# Altium PCB PowerBoard.PcbDoc (part 1 of 2)
Units mm, origin at the board's own origin, x right, y up, seen from the top; angles counter-clockwise.
Board outline 230 x 170 mm, 4 copper layers (Top Layer, PWR, GND, Bottom Layer), stack 0.778 mm thick; 262 components, 135 nets, 848 pads, 1223 vias.
Unrouted connection lines stored in the file: 2.
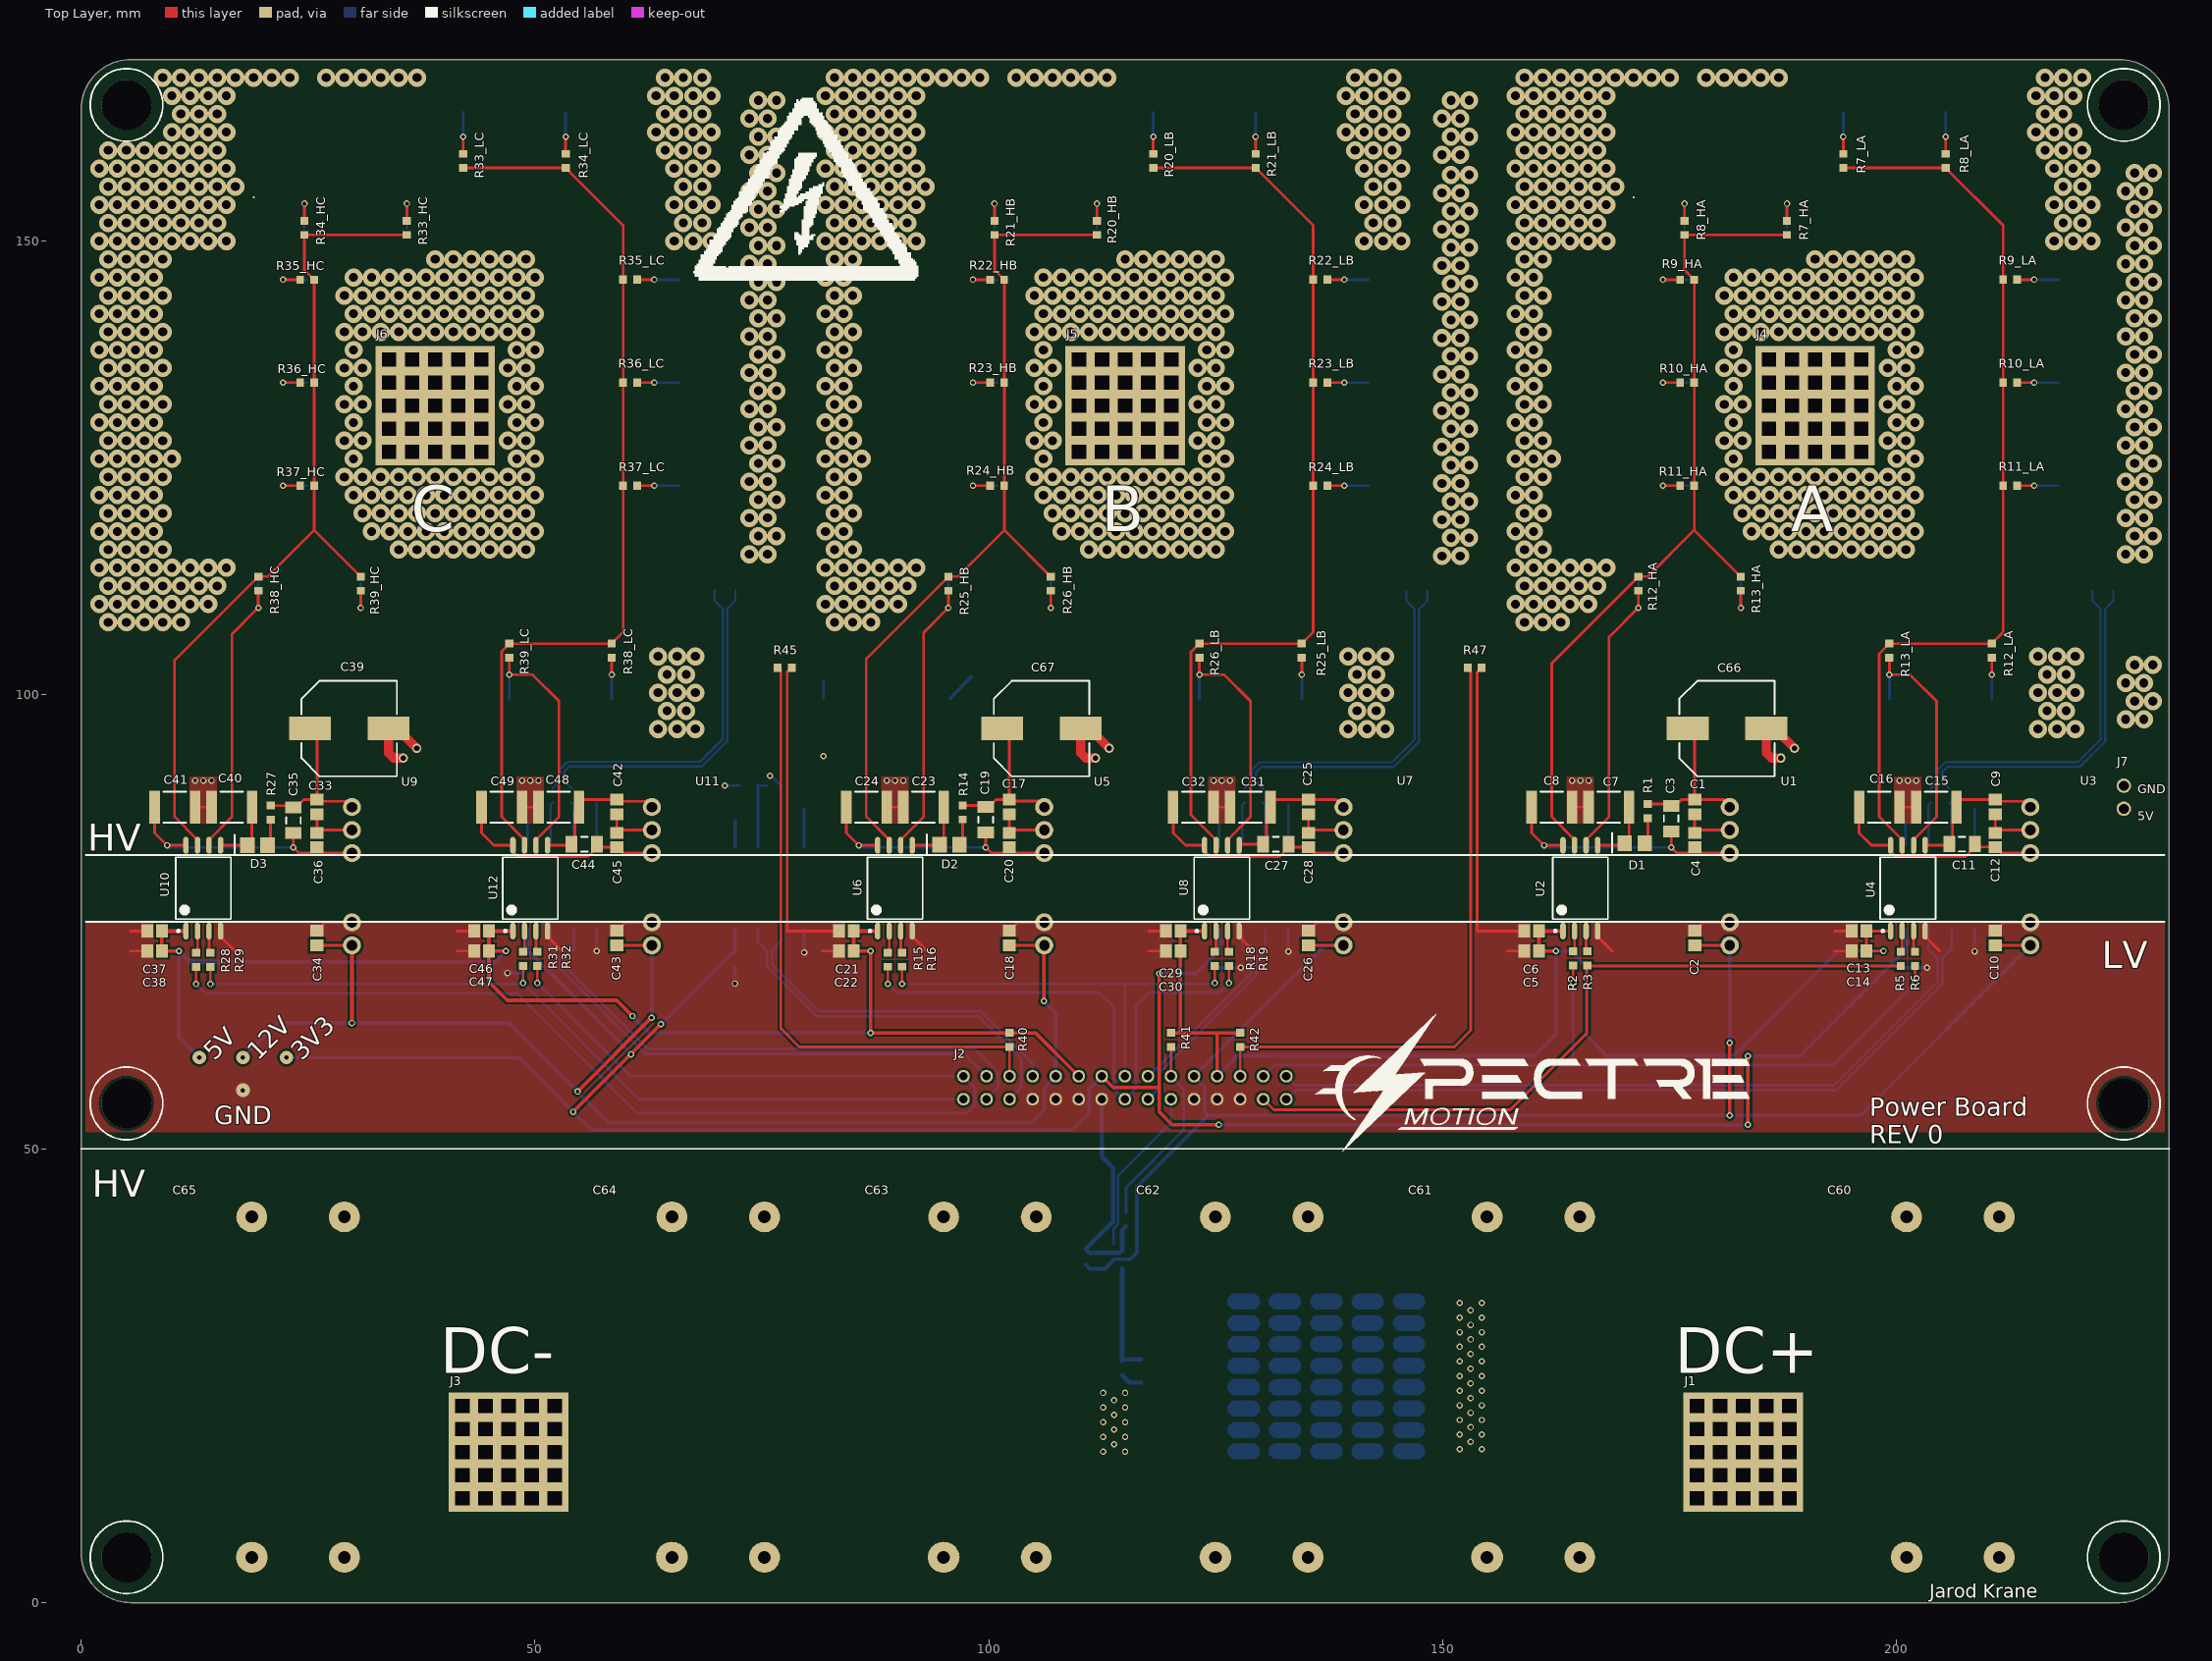
[diagram p0: Top Layer view]
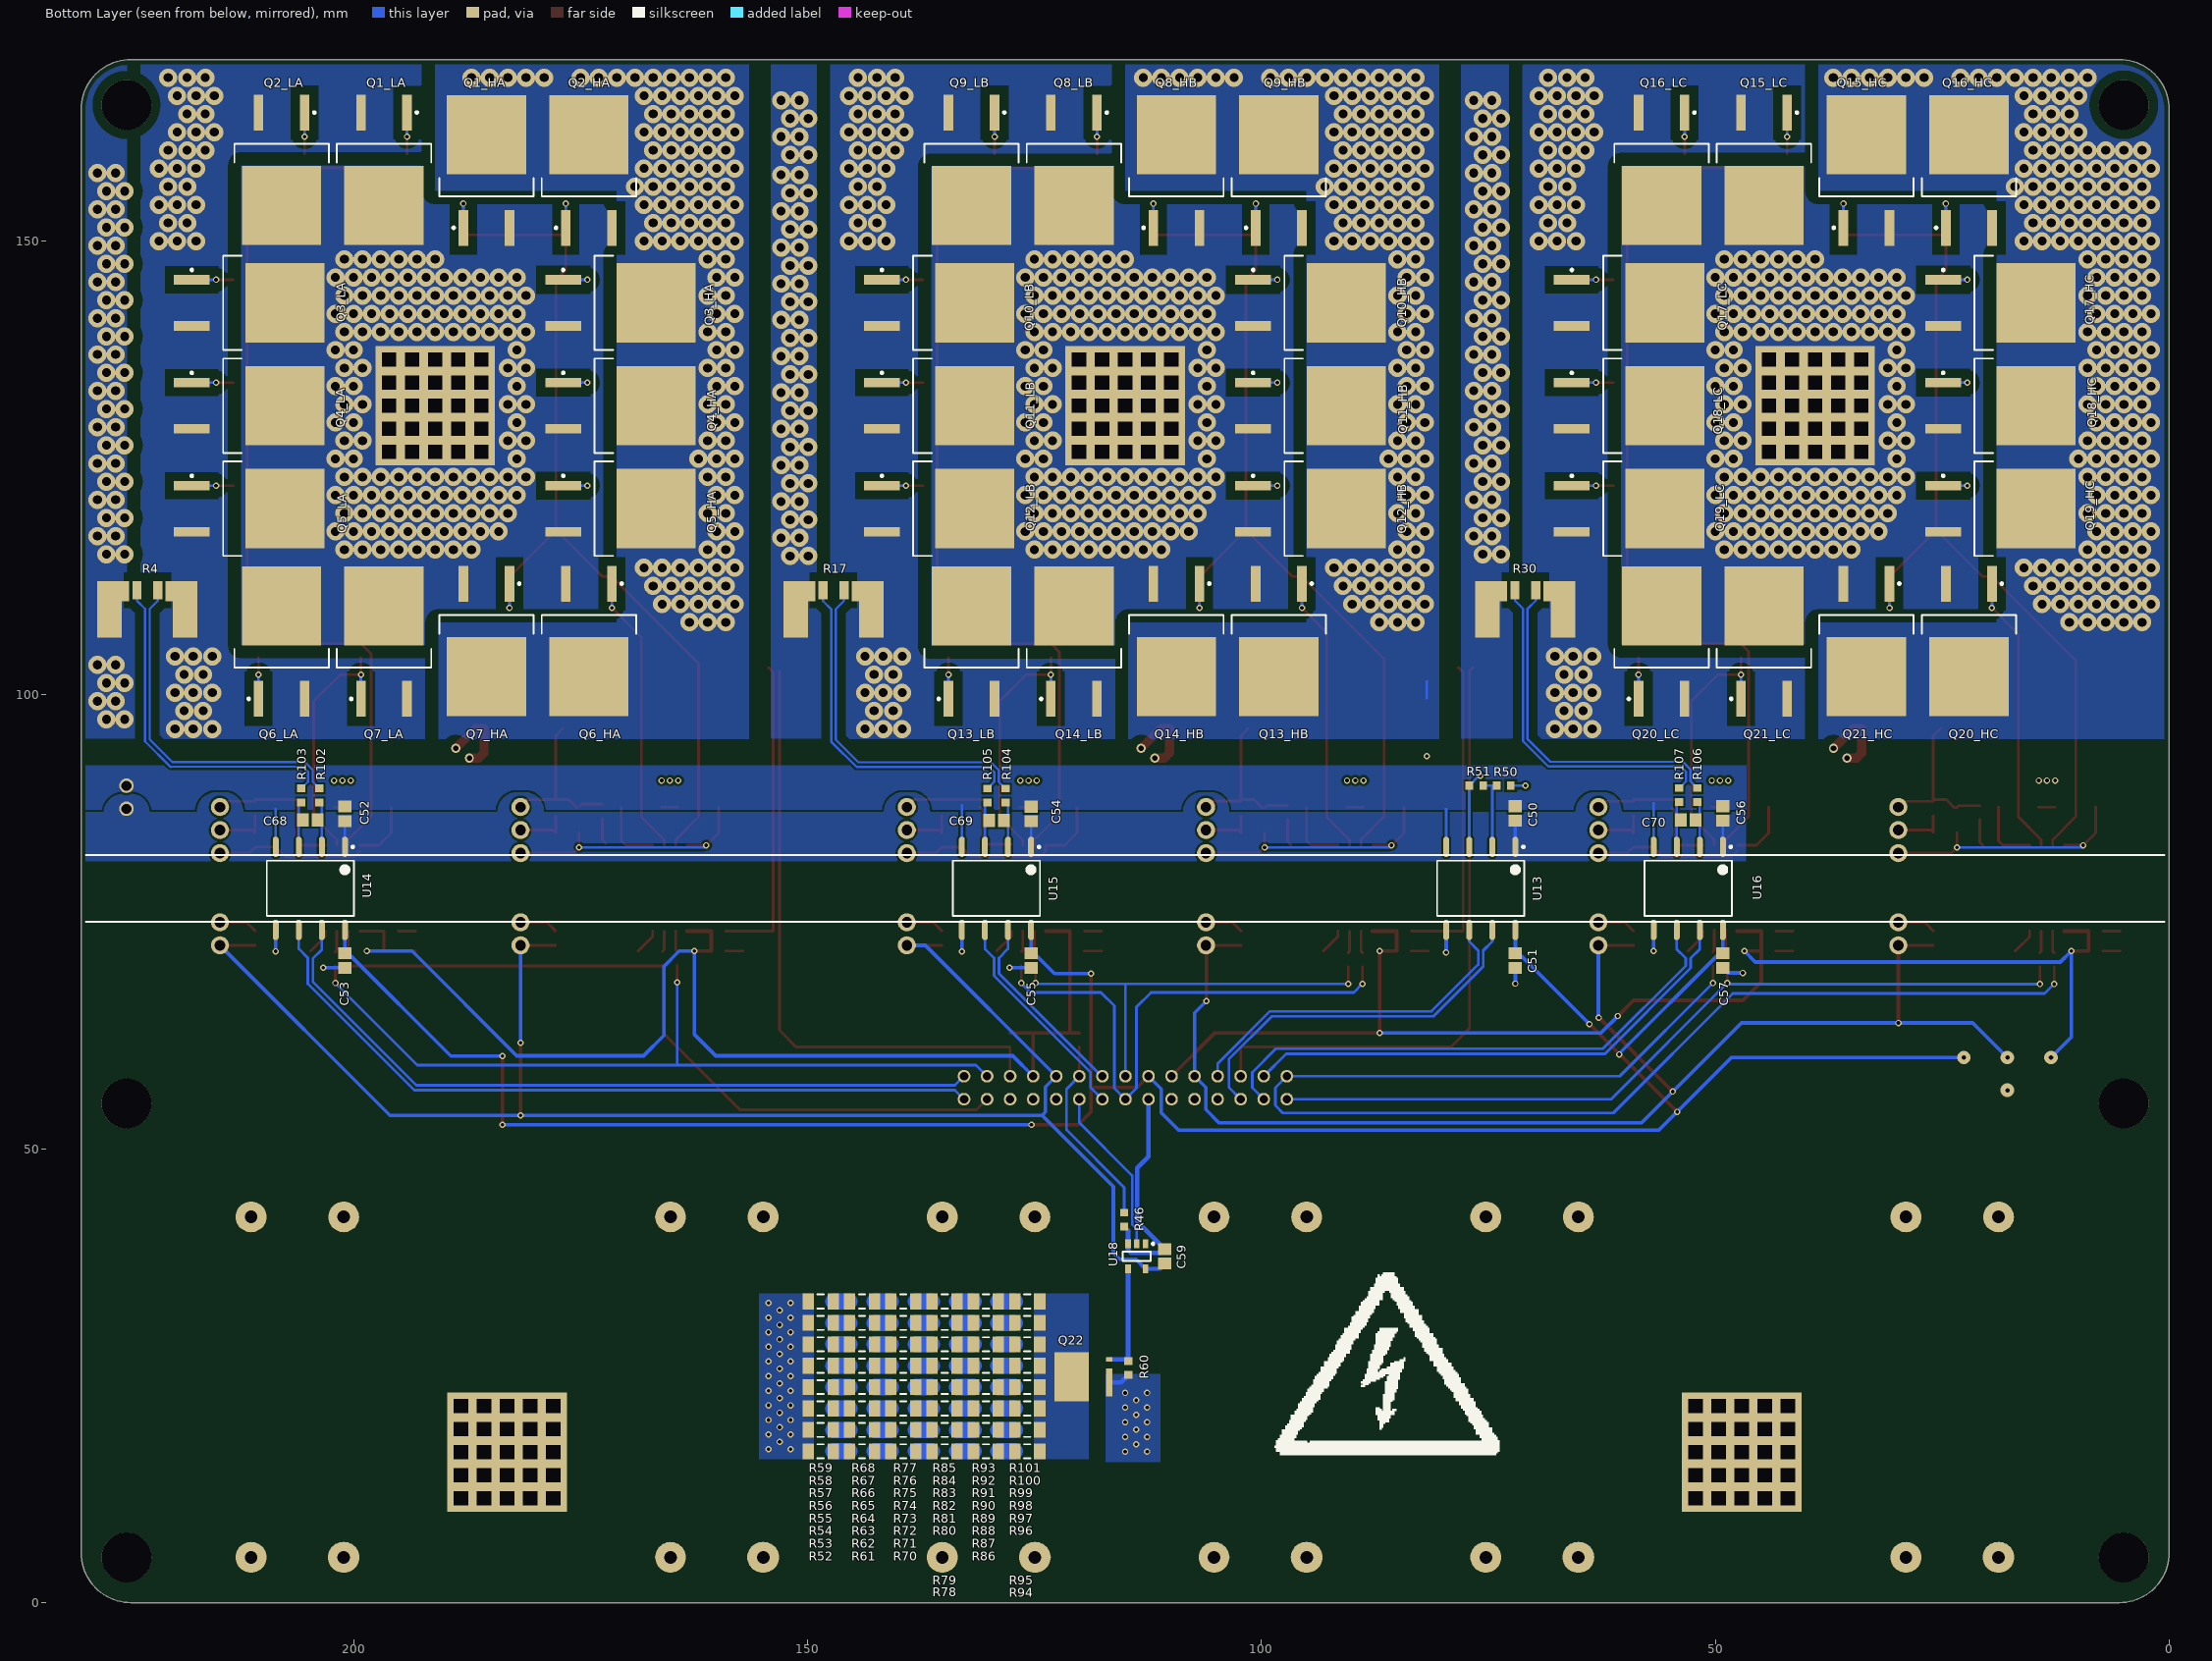
[diagram p1: Bottom Layer view, seen from below]
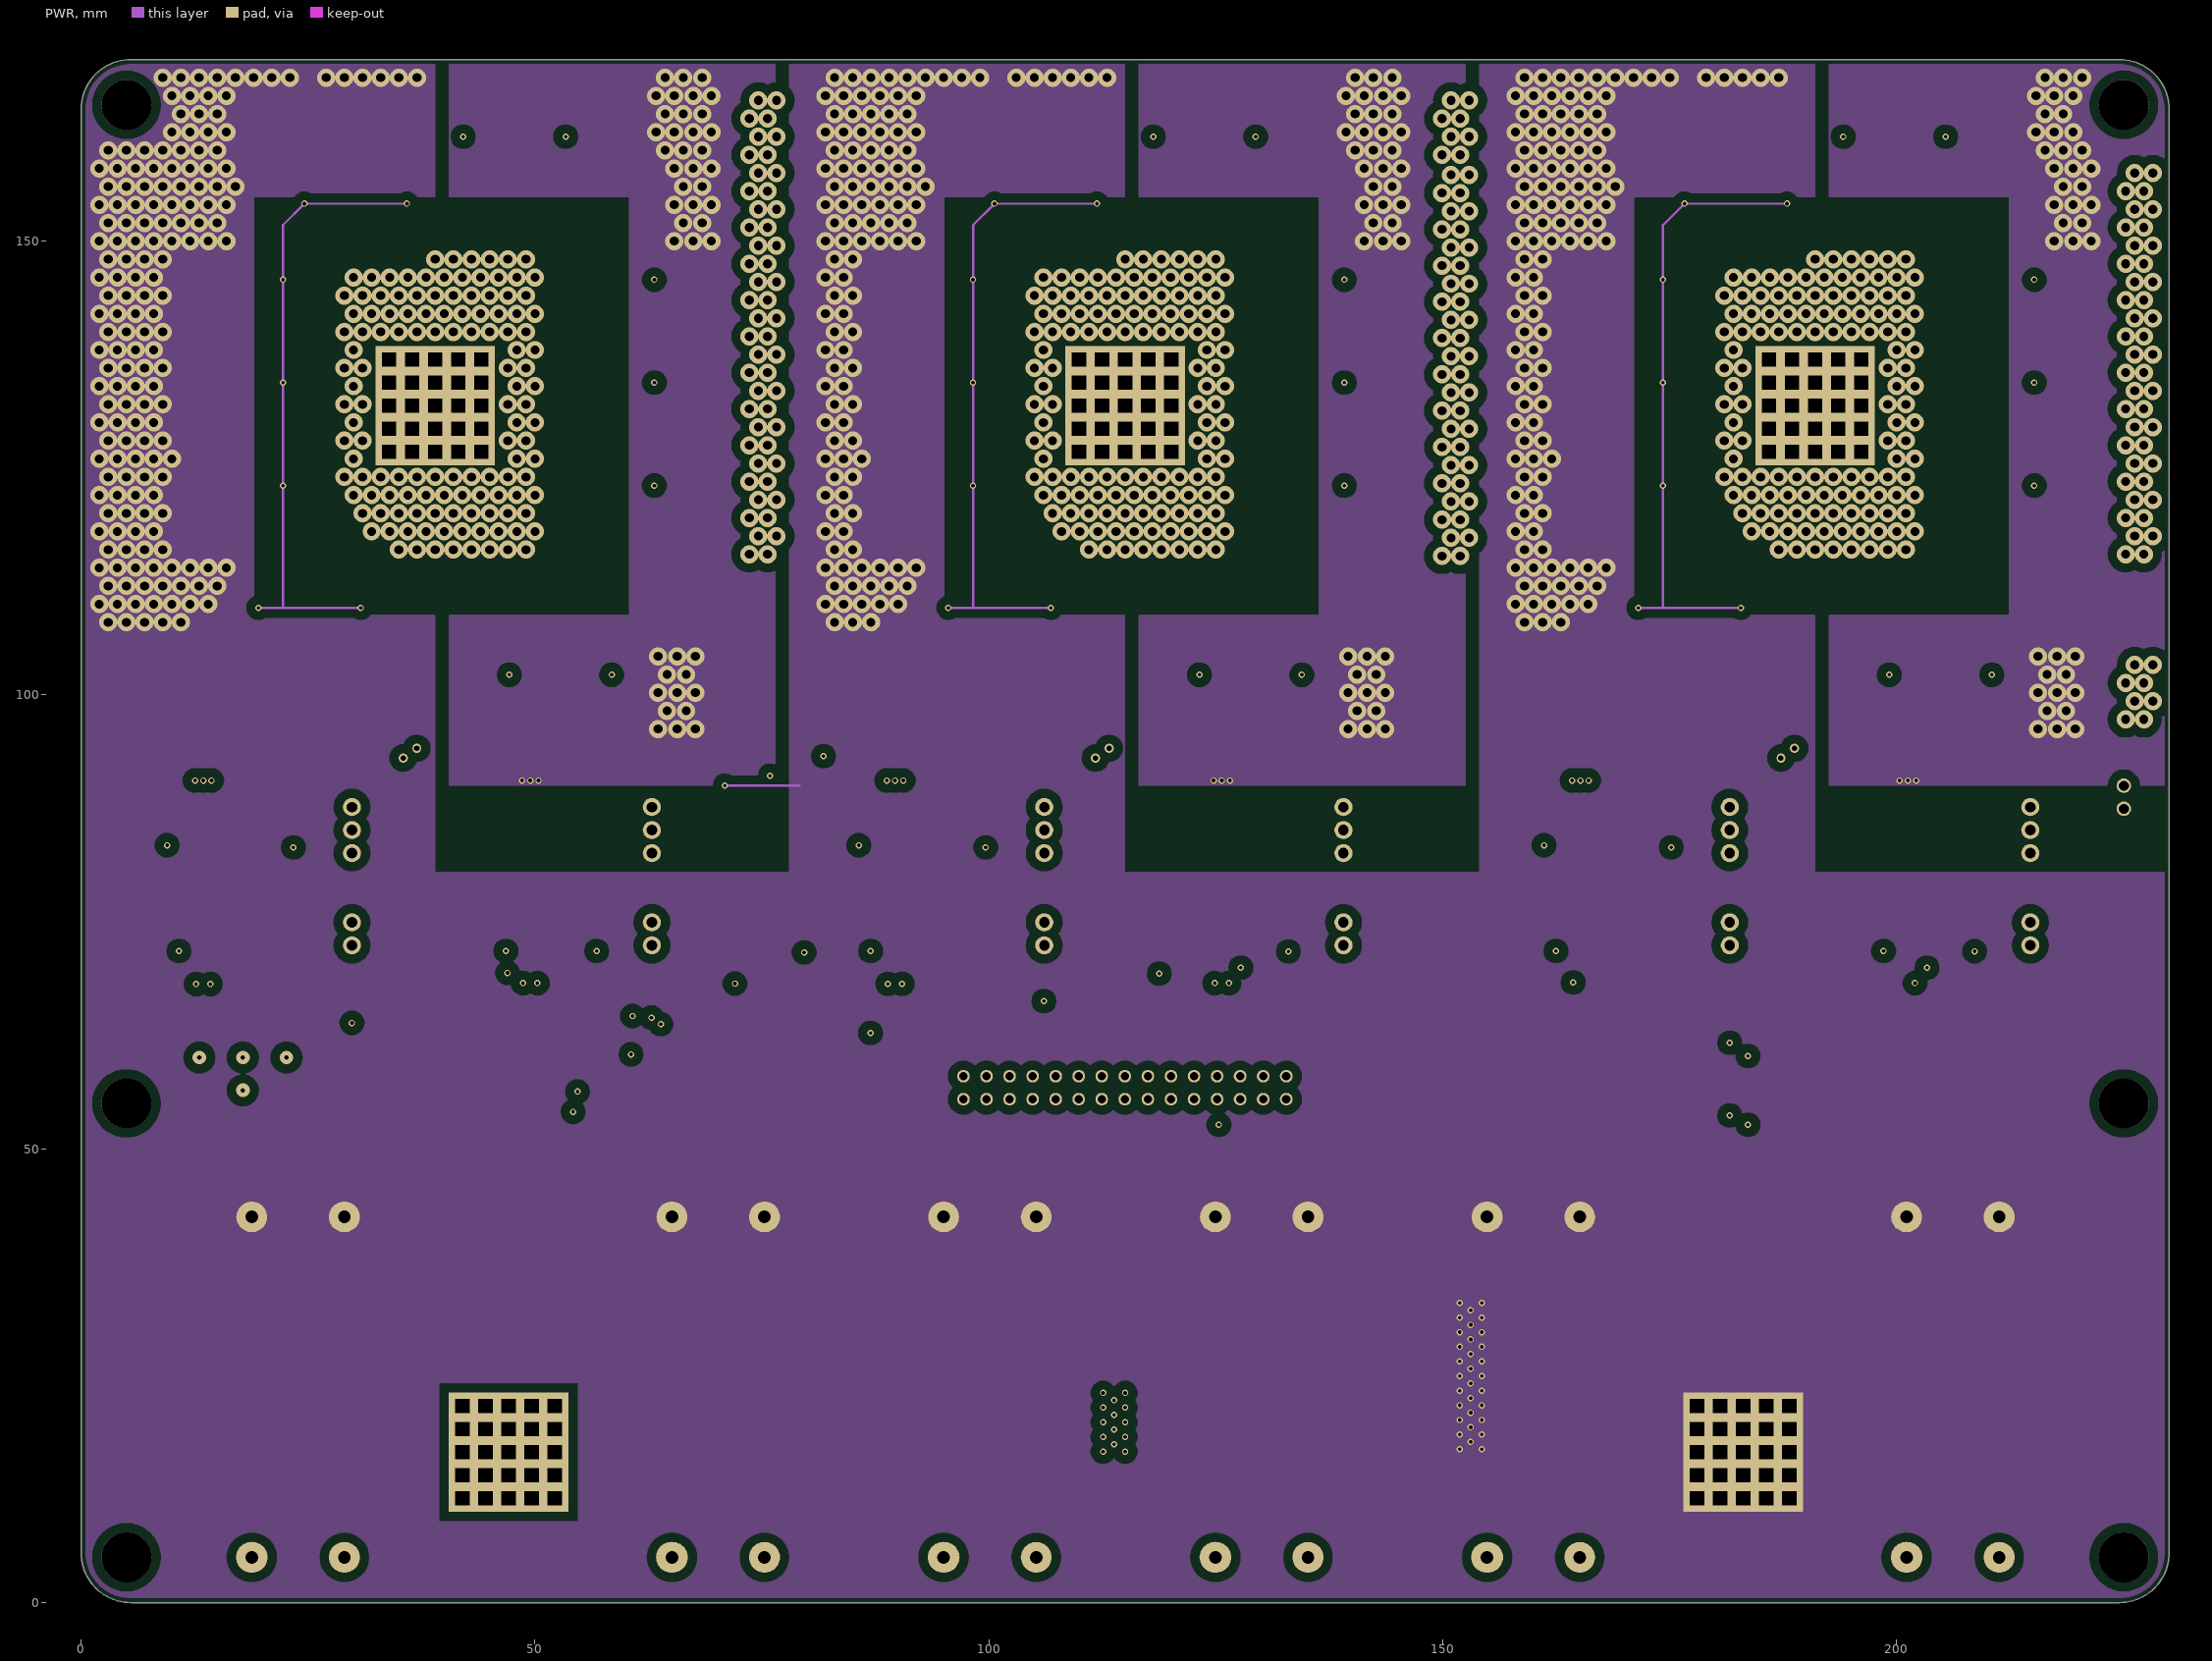
[diagram p2: PWR]